# KiCad board for_real_486_rc13.kicad_pcb (continued)
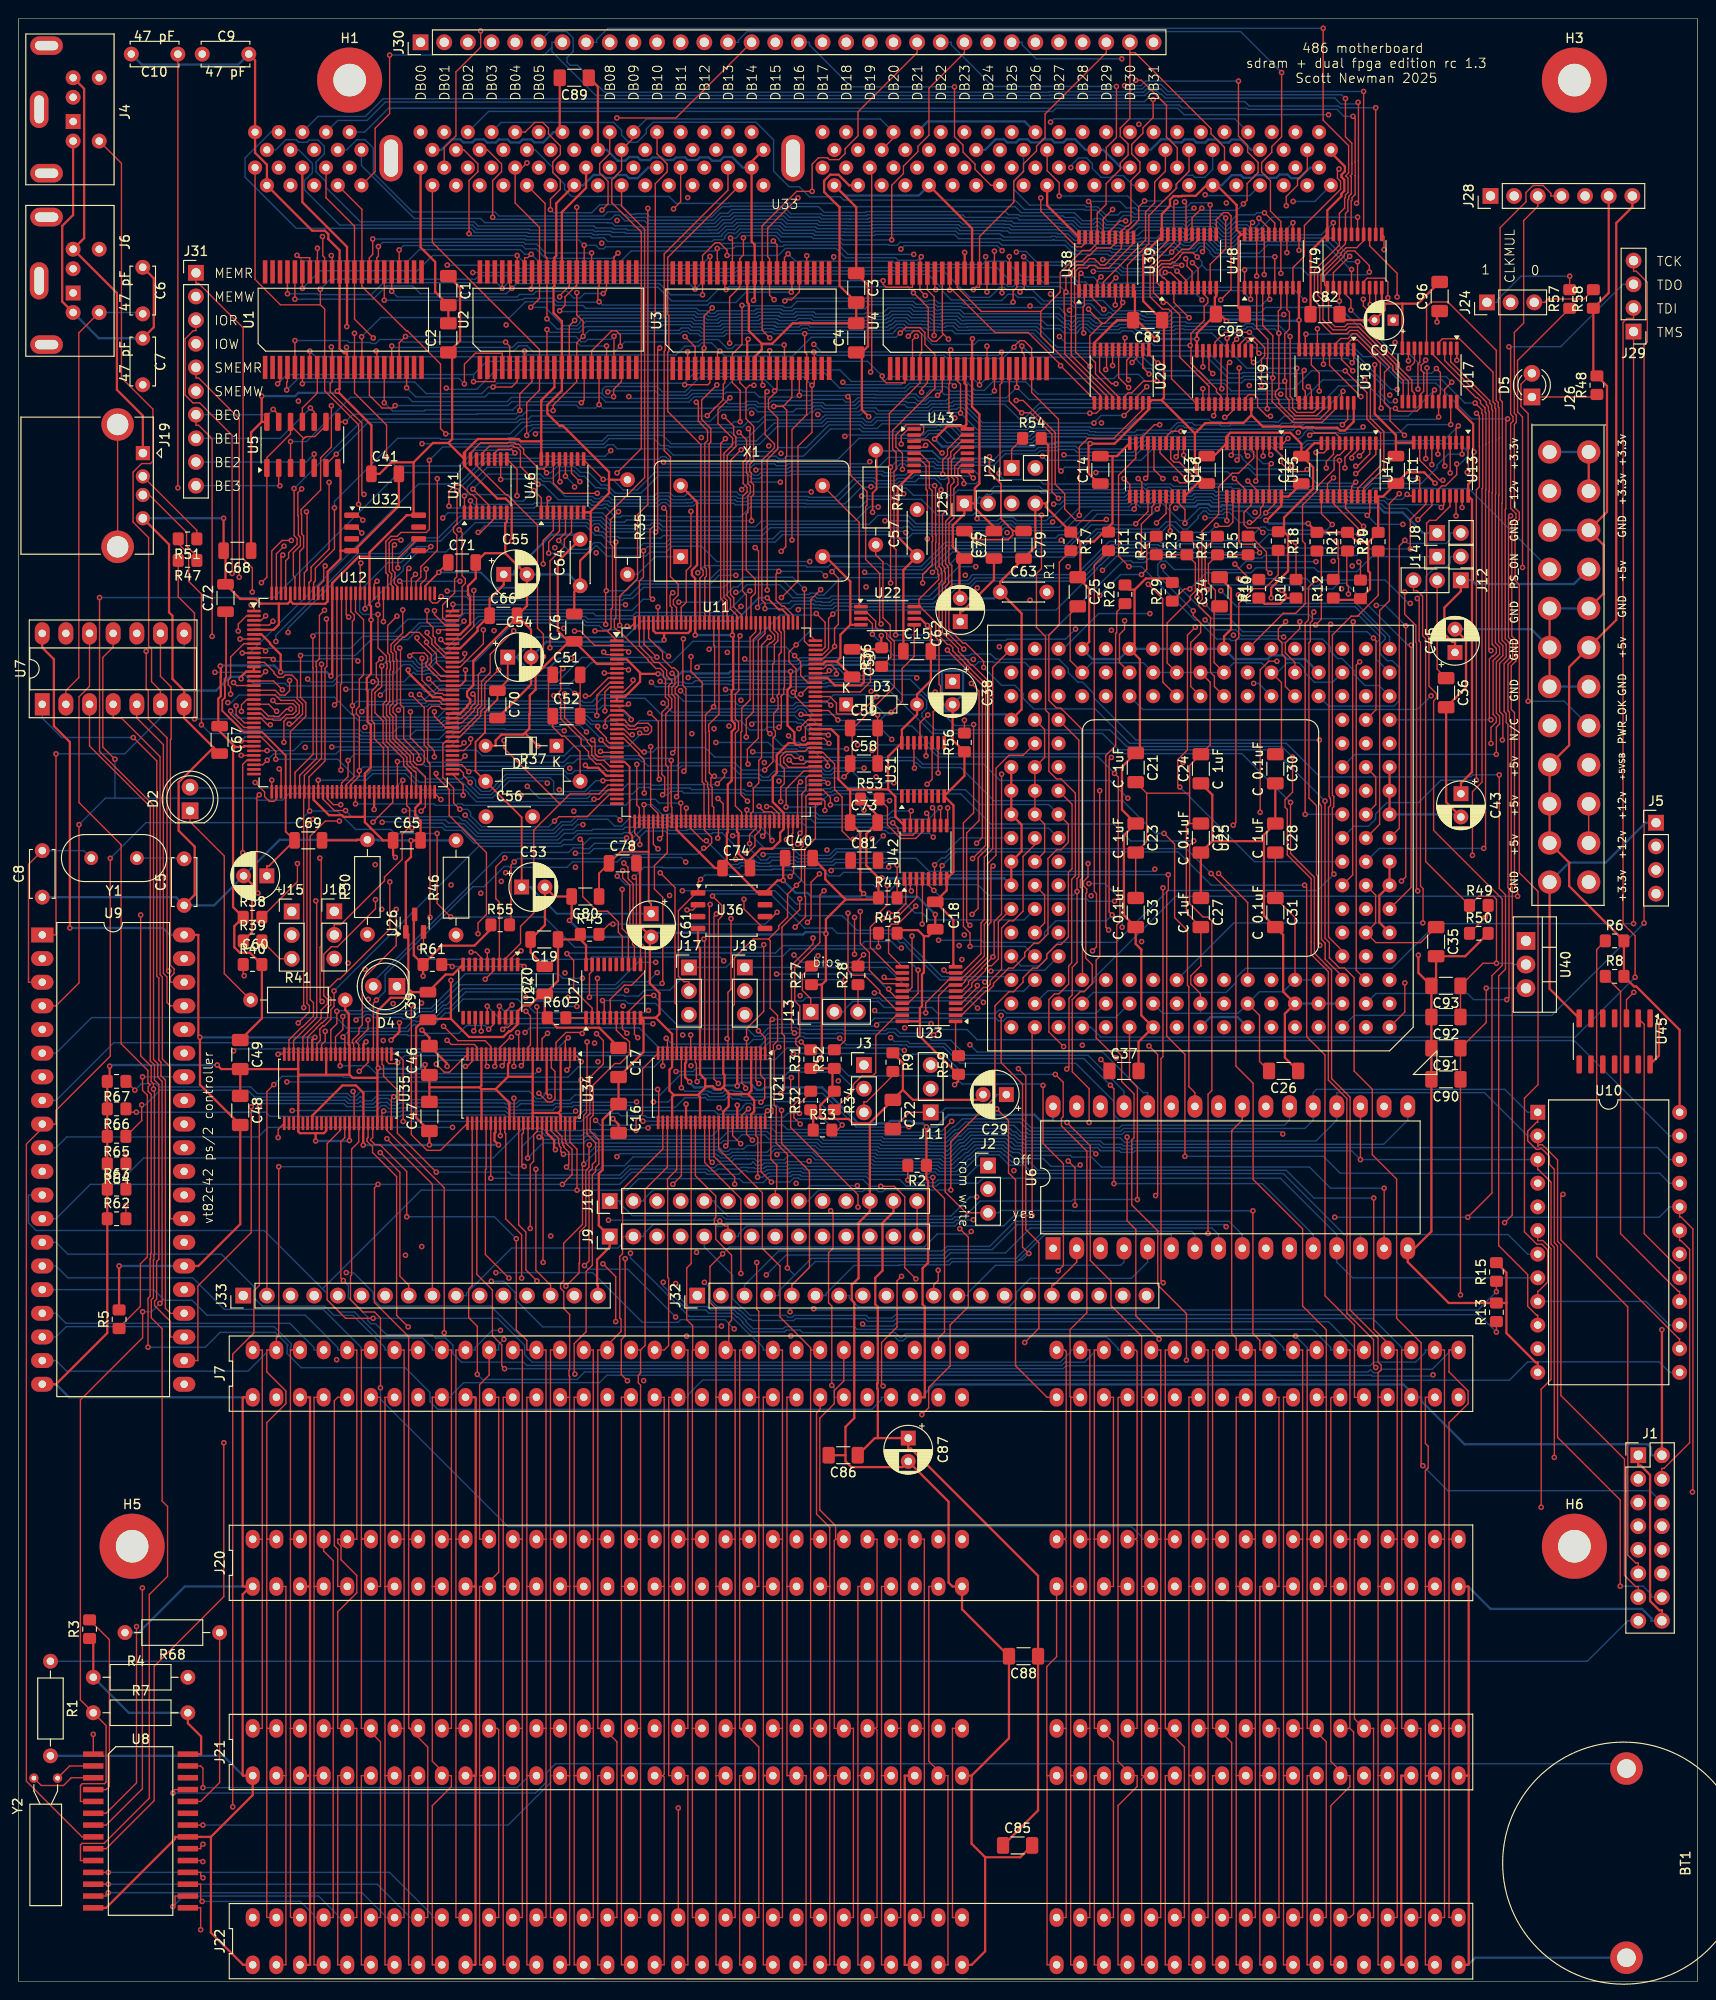
[diagram p0: board, top side]
## Routing (per net, layer and track width the routed paths; a pad name or vN(x,y) marks a point on that pad's centre or on a via; arc(x,y) is an arc through that point) (continued)
IRQ11: length 228.1
  Top w0.15: 118.1,42.42 118.1,23.64 119.64,22.1 ; 118.1,42.42 J20.66 ; 118.1,42.42 118.1,62.65 118.19,62.74 J7.66 ; 119.64,22.1 120.15,22.1 120.15,20.93 118.1,18.87 118.1,1.78 J22.66 ; 119.64,22.1 J21.66 ; v1(122.93,117.46) 122.93,99.32 122.72,99.11 122.72,75.28 v1(122.95,75.04) ; U41.14 49.19,162.84 52.35,159.67 52.48,159.67 55.74,156.41 55.74,145.34 56.37,144.7 v1(56.37,142.3)
  In1.Cu w0.15: v1(74.9,133.07) 74.78,133.07 69.36,138.49 65.45,138.49 64.04,139.9 61.03,139.9 59.4,141.54 59.13,141.54 58.37,142.3 v1(56.37,142.3)
  In2.Cu w0.15: v1(122.95,75.04) 122.95,72.22 120.15,69.42 120.15,62.74 J7.66 ; v1(119.15,127.08) 119.15,121.23 v1(122.93,117.46)
  Bottom w0.15: v1(119.15,127.08) 117.25,128.99 105.44,128.99 103.68,130.75 97.12,130.75 96.39,131.47 86.11,131.47 85.42,132.17 83.81,132.17 83.6,132.38 81.22,132.38 80.52,133.07 v1(74.9,133.07)
IRQ12: length 241.2
  Top w0.15: 120.64,42.42 120.64,62.74 ; 120.64,42.42 J20.67 ; 120.64,42.42 120.64,42.42 120.64,22.1 120.99,22.1 ; 120.64,62.74 J7.67 ; 120.64,62.74 120.64,69.3 117.35,72.59 117.35,75.21 115.12,77.44 115.12,89.75 v1(112.62,92.25) ; 120.99,22.1 120.64,21.75 120.64,1.78 J22.67 ; 120.99,22.1 J21.67 ; v1(46.22,158.46) 46.22,160.06 46.88,160.72 47.54,160.72 48.56,159.7 48.74,159.7 49.19,159.25 U41.3 ; v1(109.88,157.48) 109.88,151.74 109.34,151.2 109.34,145.43 110.32,144.45 110.32,136.55 110.67,136.19 110.67,129.98 111.49,129.16 111.99,129.16 113.52,127.62 113.52,118.77 113.12,118.37 113.12,109.39 112.8,109.07 112.8,107.12 111.74,106.06 111.28,106.06 110.67,105.46 110.67,101.99 v1(112.26,100.4)
  In2.Cu w0.15: v1(112.26,100.4) 111.95,100.09 111.95,95.08 112.5,94.52 112.5,92.36 v1(112.62,92.25)
  Bottom w0.15: v1(109.88,157.48) 109.77,157.59 105.36,157.59 105.24,157.47 103.42,157.47 103.2,157.69 102.72,157.69 102.5,157.47 98.7,157.47 96.97,159.19 91.25,159.19 90.41,158.35 84.47,158.35 84.44,158.38 78.63,158.38 77.57,157.31 69.61,157.31 69.52,157.4 64.79,157.4 64.68,157.29 64.1,157.29 63.06,158.32 62.96,158.32 62.84,158.2 61.45,158.2 61.21,158.44 55.57,158.44 55.39,158.26 46.42,158.26 v1(46.22,158.46)
IRQ14: length 237.2
  Top w0.15: 125.72,42.42 125.72,62.74 J7.69 ; 125.72,42.42 J20.69 ; 125.72,42.42 125.72,22.24 125.86,22.1 ; v1(119.08,90.69) 119.08,81.69 120.02,80.75 120.02,71.49 v1(122.52,68.98) ; J22.69 125.72,1.78 125.72,22.1 125.86,22.1 ; v1(117.91,99.19) 115.75,101.35 115.75,109.7 116.14,110.08 v1(116.14,127.9) ; 125.86,22.1 J21.69 ; U41.5 50.49,158.59 v1(48.8,160.28)
  In1.Cu w0.15: v1(91.67,132.22) 93.44,133.99 97.8,133.99 102.69,129.09 114.95,129.09 v1(116.14,127.9) ; J7.69 125.72,62.74 125.72,63.76 122.77,66.71 122.77,68.73 v1(122.52,68.98)
  In2.Cu w0.15: v1(119.08,90.69) 119.83,91.44 119.83,97.27 v1(117.91,99.19) ; v1(91.67,132.22) 91.67,133.42 90.63,134.47 90.63,138.32 90.29,138.65 90.29,141.64 90.23,141.7 90.23,142.76 90.43,142.96 90.43,147.21 90.08,147.56 90.08,155.05 v1(85.14,159.99)
  Bottom w0.15: v1(48.8,160.28) 50.42,161.9 56.03,161.9 56.48,161.46 57.35,161.46 58.15,162.26 59.65,162.26 60.25,161.66 60.77,161.66 62,160.44 62.37,160.44 62.44,160.38 63.1,160.38 63.98,159.5 68.24,159.5 68.62,159.88 69.98,159.88 70.36,159.5 71.52,159.5 72.01,159.99 77.1,159.99 77.44,159.65 77.91,159.65 78.25,159.99 v1(85.14,159.99)
IRQ15: length 238.4
  Top w0.15: J22.68 123.18,1.78 123.18,22.1 J21.68 ; v1(126.24,122.49) 125.79,122.05 125.79,115.77 127.24,114.32 127.75,114.32 128.18,113.88 128.18,95.69 127.77,95.28 v1(127.77,80.34) ; U41.6 51.14,157.15 49.63,155.64 v1(49.37,155.64) ; v1(64.16,154.6) 64.16,146.45 63.99,146.29 63.99,145.42 64.33,145.08 64.47,145.08 67.64,141.92 67.64,141.85 68.47,141.02 68.93,141.02 69.27,140.68 69.27,140.1 69.49,139.88 69.49,139.39 69.48,139.37 69.48,137.96 69.81,137.63 69.81,137.02 69.1,136.31 69.1,129.65 69.4,129.34 69.4,127.68 v1(69.17,127.46)
  In2.Cu w0.15: v1(127.77,80.34) 127.77,68.81 127.86,68.72 127.86,66.39 125.23,63.76 125.23,62.74 124.63,62.74 ; J20.68 123.18,42.42 ; 123.18,42.42 123.18,61.29 124.63,62.74 ; 123.18,42.42 123.18,22.1 J21.68 ; J7.68 124.63,62.74
  Bottom w0.15: v1(49.37,155.64) 50.06,156.33 60.93,156.33 61.92,155.34 62.63,155.34 63.37,154.6 v1(64.16,154.6) ; v1(69.17,127.46) 69.72,127.46 70.09,127.82 71.27,127.82 71.46,127.64 77.85,127.64 78.05,127.44 86.46,127.44 86.78,127.76 87.34,127.76 87.48,127.9 91.08,127.9 91.43,127.55 101.21,127.55 104.45,124.31 117.65,124.31 119.46,122.49 v1(126.24,122.49)
ISA_00: length 343.8
  Top w0.15: 46.49,47.5 46.49,67.82 J7.40 ; 46.49,47.5 J20.40 ; 46.49,47.5 46.49,27.18 J21.40 ; U34.47 59.22,90.13 59.98,89.38 v1(59.98,84.98) ; U8.11 v1(9.63,11.71)
  In2.Cu w0.15: U10.8 163.19,74.49 163.13,74.49 162.11,73.48 162.11,70.04 162.74,69.41 163.3,69.41 164.27,68.45 164.27,59.46 173.71,50.02 173.99,50.02 J1.7 ; J21.40 46.49,27.18 46.49,6.86 J22.40
  Bottom w0.15: 32.64,74.39 33.16,73.86 33.16,73.19 34.46,71.89 36.09,71.89 38.87,69.11 43.4,69.11 44.44,68.07 44.44,67.82 J7.40 ; 32.64,74.39 26.37,80.65 1.88,80.65 1.06,81.47 1.06,84.46 U9.12 ; 32.64,74.39 43.23,84.98 v1(59.98,84.98) 65.38,84.98 66.62,86.22 77.41,86.22 77.83,85.8 79.99,85.8 80.62,86.43 80.75,86.43 80.8,86.48 82.96,86.48 83.11,86.64 83.88,86.64 83.94,86.64 84.1,86.48 91.03,86.48 91.38,86.13 94.63,86.13 95.34,85.43 98.59,85.43 98.89,85.73 103.04,85.73 103.59,86.27 135.55,86.27 141.61,80.22 141.61,77.26 143.3,75.57 U10.8 ; J22.40 44.44,6.86 44.44,7.11 39.85,11.71 v1(9.63,11.71)
ISA_01: length 334.6
  Top w0.15: 41.94,27.18 43.95,25.17 43.95,6.86 J22.39 ; 41.94,27.18 41.9,27.18 41.9,47.5 41.9,47.5 ; 41.94,27.18 J21.39 ; J7.39 41.9,67.82 ; 41.9,67.82 41.9,47.5 ; 41.9,67.82 41.9,69.25 38.23,72.92 38.23,85.23 v1(38.61,85.61) ; U34.46 58.72,90.34 58.8,90.27 58.8,90 59.45,89.36 59.45,86.65 v1(58.41,85.61) ; 41.9,47.5 J20.39 ; U8.12 v1(9.63,10.44)
  In2.Cu w0.15: U10.7 163.19,77.03 163.32,77.03 175.4,64.95 175.4,50.87 176.25,50.02 176.53,50.02 J1.8
  Bottom w0.15: 144.14,80.22 160.01,80.22 162.11,78.11 U10.7 ; 144.14,80.22 U6.14 ; 144.14,80.22 142.4,80.22 135.86,86.77 108.92,86.77 108.02,87.67 106.44,87.67 105.32,88.78 103.18,88.78 101.04,86.64 98.75,86.64 98.45,86.94 97.97,86.94 97.75,86.71 96.98,86.71 96.7,86.99 91.51,86.99 91.32,87.19 84.39,87.19 84.23,87.34 84.17,87.34 84.17,87.34 82.82,87.34 82.66,87.19 80.5,87.19 80.46,87.14 80.33,87.14 80.18,86.98 79.88,86.98 79.86,86.96 78.31,86.96 78.2,87.07 77.72,87.07 77.35,86.7 73.97,86.7 73.77,86.9 65.85,86.9 64.56,85.61 v1(58.41,85.61) v1(38.61,85.61) 7.71,85.61 4.02,81.92 U9.13 ; v1(9.63,10.44) 38.52,10.44 41.9,7.05 41.9,6.86 J22.39
ISA_02: length 340.5
  Top w0.15: v1(163.56,50.93) 163.56,63.6 164.62,64.66 164.62,78.7 163.75,79.57 163.19,79.57 U10.6 ; U8.13 9.4,9.17 9.4,9.29 v1(9.63,9.52) ; U34.44 57.72,91.38 58.36,90.74 58.36,90.21 58.45,90.12 58.45,90.05 58.45,90.05 58.45,89.86 58.59,89.72 58.59,89.59 59.1,89.08 59.1,87.71 v1(58.86,87.47) ; J22.38 41.41,6.86 41.41,27.18 ; J21.38 41.41,27.18 ; 41.41,27.18 41.41,47.5 ; J7.38 41.41,67.82 41.41,47.5 ; 41.41,47.5 J20.38 ; v1(146.69,85.2) 146.69,80.22 146.69,80.22 U6.15
  In1.Cu w0.15: v1(43.3,78.93) 45.78,81.4 52.79,81.4 v1(58.86,87.47) ; U10.6 147.12,80.65 146.69,80.22 U6.15 ; J1.9 172.86,46.35 168.29,50.93 v1(163.56,50.93)
  In2.Cu w0.15: J7.38 41.41,67.82 41.41,69.92 41.28,70.05 41.28,70.94 43.3,72.97 v1(43.3,78.93)
  Bottom w0.15: v1(9.63,9.52) 36.89,9.52 39.36,7.05 39.36,6.86 J22.38 ; v1(146.69,85.2) 140.94,85.2 138.67,87.47 116.32,87.47 115.25,88.54 113.17,88.54 112.99,88.72 107.77,88.72 107.45,89.03 106.77,89.03 106.67,89.13 106.57,89.13 106.21,89.48 106.11,89.48 105.76,89.83 102.74,89.83 101.94,89.03 101.73,89.03 101.1,88.4 100.95,88.4 100.25,87.69 99.18,87.69 98.88,87.99 97.53,87.99 97.39,87.85 97.33,87.85 97.14,88.04 91.95,88.04 91.75,88.24 85.61,88.24 85.5,88.35 85.16,88.69 82.68,88.69 82.23,88.24 79.65,88.24 79.42,88.01 79.4,88.01 79.06,88.35 78.32,88.35 78.32,88.35 76.9,88.35 76.64,88.1 75.29,88.1 75.03,88.35 74.94,88.35 74.74,88.55 66.01,88.55 65.06,87.6 62.77,87.6 62.32,87.15 59.17,87.15 v1(58.86,87.47) ; J7.38 39.36,67.82 39.36,68.07 35.89,71.54 33.86,71.54 32.87,72.53 26.18,72.53 25.28,73.43 25.28,74.63 21.79,78.11 5.29,78.11 4.02,79.38 U9.14
ISA_03: length 323.3
  Top w0.15: 37.42,27.18 38.87,25.73 38.87,6.86 J22.37 ; 37.42,27.18 J21.37 ; 37.42,27.18 36.82,27.18 36.82,47.5 36.96,47.5 ; U34.43 57.22,91.33 58.01,90.54 58.01,89.99 58.1,89.9 58.1,89.71 58.24,89.57 58.24,89.12 v1(58.52,88.84) ; 36.96,47.5 J20.37 ; 36.96,47.5 36.82,47.64 36.82,67.82 J7.37 ; v1(19.56,5.55) 19.56,7.9 U8.15
  In1.Cu w0.15: J22.37 36.82,6.86 36.82,6.6 35.77,5.55 v1(19.56,5.55) ; U10.5 162.11,83.19 151.32,93.98 149.23,93.98 ; v1(41.55,77.99) 48.04,84.48 54.16,84.48 v1(58.52,88.84)
  In2.Cu w0.15: U10.5 163.19,82.11 163.32,82.11 167.81,77.63 167.81,73.04 177.66,63.2 177.66,48.33 176.81,47.48 176.53,47.48 J1.10 ; J7.37 38.87,67.82 38.87,68.84 40.76,70.73 40.76,77.2 v1(41.55,77.99)
  Bottom w0.15: U9.15 4.02,76.84 5.29,75.57 18.7,75.57 22.09,72.18 32.71,72.18 36.82,68.07 36.82,67.82 J7.37 ; v1(58.52,88.84) 61.12,88.84 61.93,89.65 75.18,89.65 75.42,89.41 75.47,89.41 75.73,89.15 76.2,89.15 76.46,89.41 77.32,89.41 77.88,89.41 78.26,89.78 79.07,89.78 79.38,90.1 85.74,90.1 86.19,89.65 92.34,89.65 92.53,89.45 97.72,89.45 97.78,89.4 99.47,89.4 99.68,89.18 99.75,89.18 100.96,90.4 101.11,90.4 101.14,90.43 101.35,90.43 102.16,91.24 106.34,91.24 106.69,90.89 106.97,90.89 107.42,90.44 108.04,90.44 108.21,90.27 116.2,90.27 116.56,89.91 118.52,89.91 118.68,89.75 119.45,89.75 119.46,89.76 119.46,89.76 119.62,89.91 146.64,89.91 149.23,92.5 149.23,93.98
ISA_04: length 333.8
  Top w0.15: v1(56.34,77.23) 56.34,90.57 56.22,90.69 ; 56.22,90.69 v1(55.9,90.69) ; 56.22,90.69 U34.41 ; J22.36 36.33,6.86 36.33,27.18 J21.36 34.28,27.18 34.28,39.69 36.33,41.74 36.33,43.59 34.63,45.29 34.63,46.75 34.28,47.1 34.28,47.4 34.28,47.5 J20.36 36.33,47.5 36.33,67.82 J7.36 ; U8.16 16.8,9.17 16.8,8.26 v1(16.57,8.03) ; v1(165.9,84.53) 165.67,84.31 165.67,79.64 172.86,72.45 172.86,45.79 173.71,44.94 173.99,44.94 J1.11
  In1.Cu w0.15: J7.36 36.33,67.82 36.33,68.09 40.17,71.92 41.78,71.92 43.1,73.24 43.1,73.95 46.37,77.23 v1(56.34,77.23) ; U10.4 163.73,85.73 ; 163.73,85.73 154,95.46 146.69,95.46 U6.18 146.69,92.5 137.28,92.5 v1(135.8,91.02) ; 163.73,85.73 164.27,85.73 165.46,84.53 v1(165.9,84.53)
  Bottom w0.15: v1(55.9,90.69) 56.15,90.44 60.6,90.44 60.93,90.78 61.7,90.78 62.04,90.44 75.37,90.44 76.21,91.28 80.42,91.28 80.9,90.8 86.03,90.8 86.48,90.35 92.63,90.35 92.82,90.16 98.01,90.16 98.07,90.1 99.67,90.1 100.67,91.1 100.82,91.1 100.85,91.14 101.06,91.14 101.87,91.94 106.91,91.94 107.71,91.14 108.33,91.14 108.5,90.97 118.54,90.97 118.84,91.26 135.56,91.26 v1(135.8,91.02) ; v1(16.57,8.03) 17.71,9.17 32.23,9.17 34.28,7.11 34.28,6.86 J22.36 ; U9.16 14.52,74.3 15.67,73.15 18.64,73.15 20.23,71.56 30.8,71.56 34.28,68.07 34.28,67.82 J7.36
ISA_05: length 325.5
  Top w0.15: J21.35 33.79,27.18 ; 33.79,27.18 33.79,45.19 32.77,46.22 J20.35 ; 33.79,27.18 33.79,6.86 J22.35 ; v1(54.96,80.87) 54.96,87.72 55.32,88.09 55.32,90.93 55.72,91.33 U34.40 ; U6.19 v1(144.14,88.27) ; U8.17 19.56,10.44 19.56,8.75 v1(19.72,8.59) ; U10.3 163.19,87.19 163.26,87.19 164.62,85.84 164.62,79.2 164.97,78.85 v1(164.97,56.29)
  In1.Cu w0.15: J7.35 33.79,67.82 33.79,68.07 37.66,71.94 39.31,71.94 40.5,73.13 40.5,73.86 47.51,80.87 v1(54.96,80.87) 62.68,88.59 v1(64.28,88.59) ; J1.12 176.53,44.94 176.25,44.94 175.4,45.79 175.4,46.62 174.4,47.62 173.63,47.62 v1(164.97,56.29)
  In2.Cu w0.15: J20.35 31.74,47.5 31.74,67.82 J7.35
  Bottom w0.15: J7.35 31.74,67.82 31.74,68.07 29.13,70.68 5.09,70.68 4.02,71.76 U9.17 ; v1(64.28,88.59) 64.59,88.91 74.89,88.91 75.09,88.7 75.18,88.7 75.43,88.45 76.49,88.45 76.75,88.7 77.03,88.7 78.09,88.7 78.09,88.7 78.17,88.7 78.18,88.7 80.63,88.7 80.89,88.97 80.89,89.06 81.23,89.39 85.45,89.39 85.9,88.94 92.05,88.94 92.24,88.75 97.43,88.75 97.48,88.69 99.18,88.69 99.47,88.4 99.96,88.4 101.26,89.7 101.4,89.7 101.43,89.73 101.64,89.73 102.45,90.54 106.05,90.54 106.4,90.18 106.61,90.18 107.06,89.74 107.75,89.74 107.95,89.54 115.54,89.54 115.57,89.56 115.91,89.56 116.12,89.36 116.12,89.3 116.21,89.21 118.23,89.21 118.39,89.05 119.75,89.05 119.91,89.21 143.2,89.21 v1(144.14,88.27) U10.3 ; v1(19.72,8.59) 30.27,8.59 31.74,7.11 31.74,6.86 J22.35
ISA_06: length 319.3
  Top w0.15: J7.34 29.2,67.82 29.2,47.5 ; v1(19.8,11.13) 19.56,11.37 19.56,11.71 U8.18 ; 29.2,47.5 29.2,47.5 29.2,27.18 ; 29.2,47.5 J20.34 ; J22.34 29.29,6.86 29.2,6.95 29.2,27.18 29.2,27.18 ; v1(54.68,88.42) 54.72,88.47 U34.38 ; 29.2,27.18 J21.34 ; J1.13 173.99,42.4 173.71,42.4 172.51,43.6 172.51,56.09 165.67,62.93 165.67,79.14 165.32,79.49 165.32,88.23 163.68,89.88 163.39,89.88 163.24,89.73 163.19,89.73 U10.2
  In1.Cu w0.15: J7.34 31.25,67.82 31.25,68.84 35.56,73.15 35.56,74.04 49.94,88.42 v1(54.68,88.42) ; v1(19.8,11.13) 25.19,11.13 29.2,7.11 29.2,6.86 J22.34
  Bottom w0.15: v1(54.68,88.42) 56.31,90.05 60.7,90.05 61.08,90.43 61.56,90.43 61.93,90.05 75.47,90.05 75.73,90.3 77.06,90.3 77.69,90.93 80.14,90.93 80.62,90.45 85.89,90.45 86.34,90 92.48,90 92.68,89.8 97.87,89.8 97.92,89.75 99.61,89.75 99.68,89.68 99.75,89.68 100.82,90.75 100.97,90.75 101,90.78 101.21,90.78 102.01,91.59 106.49,91.59 106.84,91.24 107.12,91.24 107.57,90.79 108.18,90.79 108.36,90.62 118.32,90.62 118.83,90.1 119.31,90.1 119.31,90.11 119.32,90.11 119.47,90.27 139.37,90.27 141.61,92.5 141.61,95.46 157.47,95.46 162.11,90.81 U10.2 ; J7.34 29.2,67.82 29.2,68.1 29.29,68.19 29.29,68.48 27.44,70.33 5.13,70.33 4.02,69.22 U9.18
ISA_07: length 338.8
  Top w0.15: U34.37 54.22,91.13 54.07,90.98 54.07,87.77 v1(54.3,87.53) ; v1(172.05,42.45) 172.05,51.71 165.32,58.44 165.32,78.99 164.97,79.34 164.97,87.23 164.44,87.75 164.44,88.62 163.56,89.5 163.5,89.5 163.37,89.36 163.04,89.36 162.11,90.29 162.11,91.33 163.06,92.27 163.19,92.27 U10.1 ; J22.33 26.66,6.86 26.66,27.18 ; 26.66,27.18 26.66,27.18 26.66,47.5 26.66,47.5 ; 26.66,27.18 J21.33 ; v1(19.78,12.87) 19.67,12.87 19.56,12.98 U8.19 ; v1(27.94,87.5) 27.94,69.35 27.69,69.09 J7.33 26.66,67.82 26.66,65.47 28.71,63.41 28.71,62.06 26.66,60.01 26.66,47.5 ; 26.66,47.5 J20.33
  In1.Cu w0.15: J22.33 26.66,6.86 26.66,7.11 23.8,9.98 20.1,9.98 19.2,10.87 19.2,12.28 v1(19.78,12.87)
  Bottom w0.15: J7.33 26.66,67.82 26.66,67.56 24.64,65.54 5.16,65.54 4.02,66.68 U9.19 ; 54.07,87.53 54.07,89.67 55.66,91.27 56.14,91.27 56.59,90.81 60.47,90.81 60.79,91.13 61.85,91.13 62.16,90.81 74.49,90.81 75.31,91.64 80.91,91.64 81.4,91.15 86.78,91.15 87.23,90.7 92.77,90.7 92.97,90.51 98.16,90.51 98.21,90.45 98.67,90.45 98.82,90.61 99.68,90.61 100.53,91.46 100.67,91.46 100.71,91.49 100.92,91.49 101.72,92.29 107.57,92.29 108.32,91.55 108.42,91.55 108.65,91.32 118.4,91.32 118.69,91.61 138.18,91.61 139.06,92.5 139.06,95.46 139.42,95.81 159.65,95.81 162.11,93.35 U10.1 ; 54.07,87.53 v1(54.3,87.53) ; 54.07,87.53 54.04,87.5 v1(27.94,87.5) ; v1(172.05,42.45) 174.51,42.45 175.4,41.56 175.4,41.27 J1.14
ISA_08: length 168.1
  Top w0.15: 137.93,27.18 137.93,47.5 ; 137.93,27.18 137.93,6.86 J22.91 ; 137.93,27.18 J21.91 ; 137.93,47.5 137.93,67.82 J7.91 ; 137.93,47.5 J20.91 ; U34.36 53.72,92.16 53.72,81.26 54.49,80.48 54.49,76.43 v1(55.68,75.24)
  In1.Cu w0.15: v1(69.25,75.09) 69.08,75.26 60.11,75.26 55.7,75.26 v1(55.68,75.24)
  Bottom w0.15: J7.91 135.88,67.82 135.88,68.07 134.39,69.57 95.27,69.57 94.87,69.16 94.68,69.16 94.17,69.68 84.2,69.68 83.92,69.96 82.48,69.96 82.27,69.75 78.74,69.75 77.8,70.7 77.8,70.81 77.25,71.36 77.14,71.36 76.72,71.77 74.15,71.77 73.8,72.13 71.81,72.13 71.6,72.33 69.25,74.69 v1(69.25,75.09)
ISA_09: length 179.9
  Top w0.15: U34.35 53.22,94.84 v1(53.21,94.86) ; J7.92 138.51,67.82 138.42,67.73 138.42,47.5 ; 139.02,27.18 138.42,27.18 138.42,47.5 138.42,47.5 ; 139.02,27.18 J21.92 ; 139.02,27.18 140.47,25.73 140.47,6.86 J22.92 ; 138.42,47.5 J20.92
  In1.Cu w0.15: v1(76.87,70.09) 77.04,69.92 136.58,69.92 v1(137.17,69.32)
  In2.Cu w0.15: v1(51.27,76.12) 51.27,83.97 53.21,85.91 v1(53.21,94.86)
  Bottom w0.15: v1(51.27,76.12) 61.67,76.12 67,70.79 70.82,70.79 71.1,71.07 75.89,71.07 v1(76.87,70.09) ; J7.92 138.42,67.82 138.42,68.07 v1(137.17,69.32)
ISA_10: length 175.4
  Top w0.15: J7.93 143.01,67.82 143.01,47.5 ; v1(54.04,75.53) 54.04,80.19 52.33,81.9 52.33,91.07 52.22,91.17 U34.33 ; 143.01,47.5 J20.93 ; 143.01,47.5 143.01,27.18 ; 143.01,27.18 143.41,26.78 143.41,7.26 143.01,6.86 J22.93 ; 143.01,27.18 J21.93
  In1.Cu w0.15: v1(70.58,74.96) 69.75,75.79 62.24,75.79 62.2,75.83 61.53,75.83 61.31,75.61 60.25,75.61 60.04,75.83 54.33,75.83 v1(54.04,75.53)
  Bottom w0.15: v1(70.58,74.96) 70.92,74.62 70.92,73.52 71.96,72.48 73.95,72.48 74.3,72.13 76.87,72.13 77.28,71.71 77.4,71.71 78.15,70.96 78.15,70.84 78.89,70.1 82.13,70.1 82.34,70.32 89.78,70.32 90.07,70.03 139,70.03 140.96,68.07 140.96,67.82 J7.93
ISA_11: length 182.7
  Top w0.15: U34.32 51.75,92.15 v1(51.75,90.83) ; J20.94 143.5,47.5 143.5,28.2 J21.94 145.55,27.18 145.55,6.86 J22.94
  In1.Cu w0.15: v1(90.66,70.61) 90.59,70.67 75.79,70.67 v1(75.5,70.38)
  In2.Cu w0.15: v1(50.77,75.2) 50.63,75.35 50.63,85.28 52.15,86.8 52.15,90.44 v1(51.75,90.83) ; J7.94 145.55,67.82 145.55,66.51 145.22,66.18 145.22,65.7 145.55,65.37 145.55,47.5 J20.94
  Bottom w0.15: v1(90.66,70.61) 90.88,70.38 93.96,70.38 94.42,70.85 140.73,70.85 143.5,68.07 143.5,67.82 J7.94 ; v1(75.5,70.38) 75.42,70.29 56.31,70.29 53.34,73.26 53.34,73.99 52.12,75.2 v1(50.77,75.2)
ISA_12: length 187.3
  Top w0.15: 148.09,47.5 148.09,47.5 148.09,27.18 ; 148.09,47.5 148.09,67.82 147.58,67.82 ; 148.09,47.5 J20.95 ; 148.09,27.18 148.09,6.86 J22.95 ; 148.09,27.18 J21.95 ; J7.95 147.58,67.82 ; 147.58,67.82 147.58,68.06 145.57,70.07 v1(145.57,84.13) ; U34.30 50.72,92.17 v1(50.72,86.26)
  Bottom w0.15: v1(145.57,84.13) 139.16,84.13 136.18,87.12 109.5,87.12 108.6,88.02 106.68,88.02 105.92,88.78 105.82,88.78 105.47,89.13 103.03,89.13 102.23,88.32 102.07,88.32 100.74,86.99 98.89,86.99 98.59,87.29 97.82,87.29 97.6,87.06 97.13,87.06 96.85,87.34 91.66,87.34 91.46,87.54 84.54,87.54 84.38,87.69 82.68,87.69 82.52,87.54 80.36,87.54 80.31,87.49 80.19,87.49 80.03,87.33 79.73,87.33 79.71,87.31 79.11,87.31 79.03,87.39 78.37,87.39 78.34,87.42 77.57,87.42 77.4,87.25 75.09,87.25 74.89,87.05 74.12,87.05 73.92,87.25 65.71,87.25 64.71,86.26 v1(50.72,86.26)
ISA_13: length 185.9
  Top w0.15: J20.96 148.58,47.5 ; 148.58,47.5 148.58,27.18 J21.96 150.63,27.18 150.63,6.86 J22.96 ; 148.58,47.5 148.58,67.82 J7.96 ; v1(52.67,75.54) 50.14,78.07 50.14,87.18 50.22,87.26 U34.29
  In1.Cu w0.15: v1(73.67,75.08) 72.6,76.14 62.39,76.14 62.35,76.18 61.38,76.18 61.17,75.96 60.4,75.96 60.18,76.18 53.31,76.18 v1(52.67,75.54)
  Bottom w0.15: J7.96 148.58,67.82 148.58,68.07 145.46,71.2 94.28,71.2 93.97,70.89 91.19,70.89 90.9,71.18 83.45,71.18 83.26,70.99 78.8,70.99 78.67,71.12 78.48,71.12 77.55,72.06 77.43,72.06 77.01,72.48 75.03,72.48 74.28,73.23 74.28,74.47 v1(73.67,75.08)
ISA_14: length 193.6
  Top w0.15: J7.97 153.17,67.82 153.17,47.5 ; J21.97 153.17,27.18 ; v1(52.2,65.81) 51.9,66.11 51.9,68.37 50.9,69.38 50.9,74.26 49.22,75.94 U34.27 ; 153.17,27.18 153.17,6.86 J22.97 ; 153.17,27.18 153.17,47.5 ; 153.17,47.5 J20.97
  Bottom w0.15: v1(52.2,65.81) 112.21,65.81 112.53,66.13 145.17,66.13 145.56,66.52 150.08,66.52 151.12,67.56 151.12,67.82 J7.97
ISA_15: length 201.6
  Top w0.15: J7.98 153.66,67.82 153.66,65.47 155.71,63.41 155.71,62.06 153.66,60.01 153.66,47.5 ; v1(49.28,65.2) 49.28,70.36 48.35,71.28 48.35,74.36 48.72,74.74 U34.26 ; 153.66,47.5 J20.98 ; 153.66,47.5 153.66,27.18 ; J22.98 153.66,6.86 153.66,27.18 153.66,27.18 ; 153.66,27.18 J21.98
  Bottom w0.15: J7.98 153.66,67.82 153.66,67.56 151.85,65.75 146.42,65.75 146.03,65.36 145.56,65.36 145.25,65.67 145.19,65.67 144.97,65.46 60.8,65.46 60,64.66 49.82,64.66 v1(49.28,65.2)
ISA_A00: length 110.2
  Top w0.15: J21.62 100.32,27.18 100.32,6.86 J22.62 ; v1(96.39,75.46) 95.19,76.65 95.19,84.27 94.06,85.4 v1(92.61,85.4) ; v1(80.86,85.86) 79.76,86.97 79.76,92.21 U21.47
  In2.Cu w0.15: 100.38,47.5 102.37,49.49 102.37,65.04 100.6,66.81 100.6,66.87 100.65,66.93 100.65,67.4 100.32,67.74 100.32,67.82 ; 100.38,47.5 100.38,45.08 102.37,43.09 102.37,41.74 100.32,39.69 100.32,27.18 J21.62 ; 100.38,47.5 J20.62 ; 100.32,67.82 100.32,69.99 97.03,73.28 97.03,74.81 v1(96.39,75.46) ; 100.32,67.82 J7.62
  Bottom w0.15: v1(92.61,85.4) 91.44,85.4 90.71,86.13 83.95,86.13 83.8,86.29 83.74,86.29 83.26,86.29 82.83,85.86 v1(80.86,85.86)
ISA_A01: length 109.7
  Top w0.15: U21.46 79.2,90.83 79.4,90.62 79.4,86.41 v1(79.38,86.38) ; J7.61 98.81,69.09 99.46,69.75 99.46,84.09 98.21,85.34 v1(98.21,86.36)
  In2.Cu w0.15: 99.82,27.18 99.83,27.18 99.83,47.5 99.83,47.5 ; 99.82,27.18 J21.61 ; 99.82,27.18 99.83,27.17 99.83,6.86 J22.61 ; 99.83,47.5 99.83,67.82 J7.61 ; 99.83,47.5 J20.61
  Bottom w0.15: v1(79.38,86.38) 79.95,86.38 80.2,86.63 80.32,86.63 80.48,86.79 80.6,86.79 80.65,86.83 82.81,86.83 82.97,86.99 84.03,86.99 84.09,86.99 84.25,86.83 91.17,86.83 91.37,86.64 96.47,86.64 96.75,86.36 v1(98.21,86.36)
ISA_A02: length 99.4
  Top w0.15: U21.44 78.2,90.98 v1(78.83,90.36) ; 97.29,27.18 97.29,6.86 J22.60 ; 97.29,27.18 J21.60 ; 97.29,27.18 97.29,47.5 J20.60
  In2.Cu w0.15: v1(78.83,90.36) 78.83,90.05 82.92,85.96 82.92,85.49 83.41,85 84.26,85 84.99,84.26 84.99,82.98 87.63,80.34 87.63,79.65 91.87,75.41 93.13,75.41 94.36,74.18 94.36,73.38 96.27,71.48 J7.60 97.29,67.82 97.29,61.43 97.6,61.12 97.6,60.64 97.29,60.33 97.29,47.64 97.15,47.5 J20.60
ISA_A03: length 100.5
  Top w0.15: J20.59 94.75,47.5 94.75,27.18 94.75,27.18 ; 94.75,27.18 J21.59 ; 94.75,27.18 94.75,6.86 J22.59 ; U21.43 77.7,93.03 v1(78.4,93.72)
  In2.Cu w0.15: v1(78.4,93.72) 78.25,93.58 78.25,89.9 82.55,85.6 82.55,83.49 85.09,80.95 85.09,79.59 89.54,75.13 89.54,73.17 93.62,69.09 93.73,69.09 J7.59 94.75,67.82 94.75,61.72 94.46,61.43 94.46,48.97 94.75,48.67 94.75,47.5 J20.59
ISA_A04: length 97.8
  Top w0.15: 92.07,27.18 92.21,27.32 92.21,47.5 J20.58 ; 92.07,27.18 J21.58 ; 92.07,27.18 92.21,27.03 92.21,6.86 J22.58 ; U21.41 76.7,90.85 v1(77.56,89.98)
  In2.Cu w0.15: J20.58 92.21,47.5 92.21,67.82 J7.58 90.16,67.82 90.16,68.84 86.87,72.14 86.87,73.98 82.98,77.87 81.77,77.87 80.12,79.52 80.12,87.42 v1(77.56,89.98)
ISA_A05: length 132.6
  Top w0.15: 87.77,47.5 87.77,48.94 86.07,50.63 86.07,60.5 87.62,62.05 87.62,63.46 88.65,64.49 J7.57 ; 87.77,47.5 87.62,47.35 87.62,27.18 J21.57 89.67,27.18 89.67,6.86 J22.57 ; 87.77,47.5 J20.57 ; v1(65.16,77.63) 65.16,69.34 64.74,68.93 64.74,65.18 v1(65.4,64.51) ; v1(75.96,89.73) 76.2,89.96 U21.40
  In1.Cu w0.15: J7.57 87.62,67.82 87.62,67.56 85.34,65.29 66.18,65.29 v1(65.4,64.51) ; v1(75.96,89.73) 75.4,89.73 72.22,86.55 64.07,86.55 62.3,84.77 62.3,79.08 63.75,77.63 v1(65.16,77.63)
ISA_A06: length 93.6
  Top w0.15: J20.56 85.08,47.5 ; 85.08,47.5 85.08,47.5 85.08,67.82 ; 85.08,47.5 85.08,47.5 85.08,27.18 ; 85.08,27.18 85.08,6.86 J22.56 ; 85.08,27.18 J21.56 ; U21.38 75.2,89.42 79.89,84.72 79.89,78.73 81.79,76.84 81.79,71.36 85.08,68.06 85.08,67.82 ; 85.08,67.82 J7.56
ISA_A07: length 93.3
  Top w0.15: v1(76.92,85.63) 76.92,86.38 74.7,88.61 U21.37
  In2.Cu w0.15: v1(76.92,85.63) 77.42,85.14 77.42,79.64 78.63,78.42 78.9,78.42 81.79,75.54 81.79,71.38 83.57,69.6 J7.55 84.59,67.82 84.59,47.5 ; J22.55 84.59,6.86 84.59,27.18 ; 84.59,47.5 J20.55 ; 84.59,47.5 84.59,27.18 ; J21.55 84.59,27.18
ISA_A08: length 107.1
  Top w0.15: 82.05,47.5 82.05,67.82 J7.54 ; 82.05,47.5 J20.54 ; 82.05,47.5 82.05,27.18 ; v1(74.5,87.98) 74.2,88.28 U21.36 ; 82.05,27.18 82.05,6.86 J22.54 ; 82.05,27.18 J21.54
  In1.Cu w0.15: v1(74.5,87.98) 72.72,86.2 66.75,86.2 64.86,84.31 64.86,79.09 v1(65.73,78.22)
  Bottom w0.15: v1(65.73,78.22) 65.73,77.71 72.02,71.42 76.58,71.42 78.6,69.4 78.67,69.4 80,68.07 80,67.82 J7.54
ISA_A09: length 92.9
  Top w0.15: v1(77.59,76.04) 77.59,84.08 73.7,87.97 U21.35 ; 77.5,27.18 77.46,27.18 77.46,47.5 77.46,47.5 ; 77.5,27.18 79.51,25.17 79.51,6.86 J22.53 ; 77.5,27.18 J21.53 ; J20.53 77.46,47.5 ; 77.46,47.5 77.46,67.82 J7.53
  In2.Cu w0.15: J7.53 78.49,69.09 79.12,69.73 79.12,74.51 v1(77.59,76.04)
ISA_A10: length 91.4
  Top w0.15: 76.97,27.18 76.97,6.86 J22.52 ; 76.97,27.18 J21.52 ; 76.97,27.18 76.97,47.5 ; J20.52 76.97,47.5 ; 76.97,47.5 76.97,67.82 76.46,67.82 ; J7.52 76.46,67.82 ; 76.46,67.82 76.29,67.98 76.29,70.7 76.58,70.99 76.58,78 74.89,79.7 74.89,81.28 74.74,81.43 74.74,81.91 74.89,82.06 74.89,84.35 72.7,86.54 U21.33
ISA_A11: length 90
  Top w0.15: U21.32 72.25,92.22 72.25,77.1 71.77,76.62 71.77,71.07 72.41,70.43 72.41,67.82 ; J20.51 72.38,47.5 ; 72.38,47.5 72.38,47.5 72.38,27.18 ; 72.38,47.5 72.38,67.79 72.41,67.82 ; 72.41,67.82 J7.51 ; J22.51 72.38,6.86 72.38,27.18 ; J21.51 72.38,27.18
ISA_A12: length 91.1
  Top w0.15: 71.89,47.5 71.89,27.18 J21.50 ; 71.89,47.5 71.89,67.82 J7.50 ; 71.89,47.5 J20.50 ; U21.30 71.2,86.54 v1(70.28,85.62) ; J22.50 v1(70.87,18.63)
  In2.Cu w0.15: v1(70.28,85.62) 69.96,85.29 69.96,77.57 71.16,76.37 71.16,69.39 70.87,69.09 J7.50 ; J21.50 69.84,27.18 69.84,19.65 v1(70.87,18.63)
ISA_A13: length 92.2
  Top w0.15: J7.49 69.35,67.82 69.83,68.29 69.83,75.5 69.73,75.6 69.73,85.35 69.7,85.38 69.7,86.19 70.7,87.19 U21.29
  In2.Cu w0.15: 69.35,47.5 69.35,67.82 J7.49 ; 69.35,47.5 69.35,27.18 J21.49 67.3,27.18 67.3,6.86 J22.49 ; 69.35,47.5 J20.49